# Altium PCB HIVE_BOARD.PcbDoc (part 6 of 9) (continued)
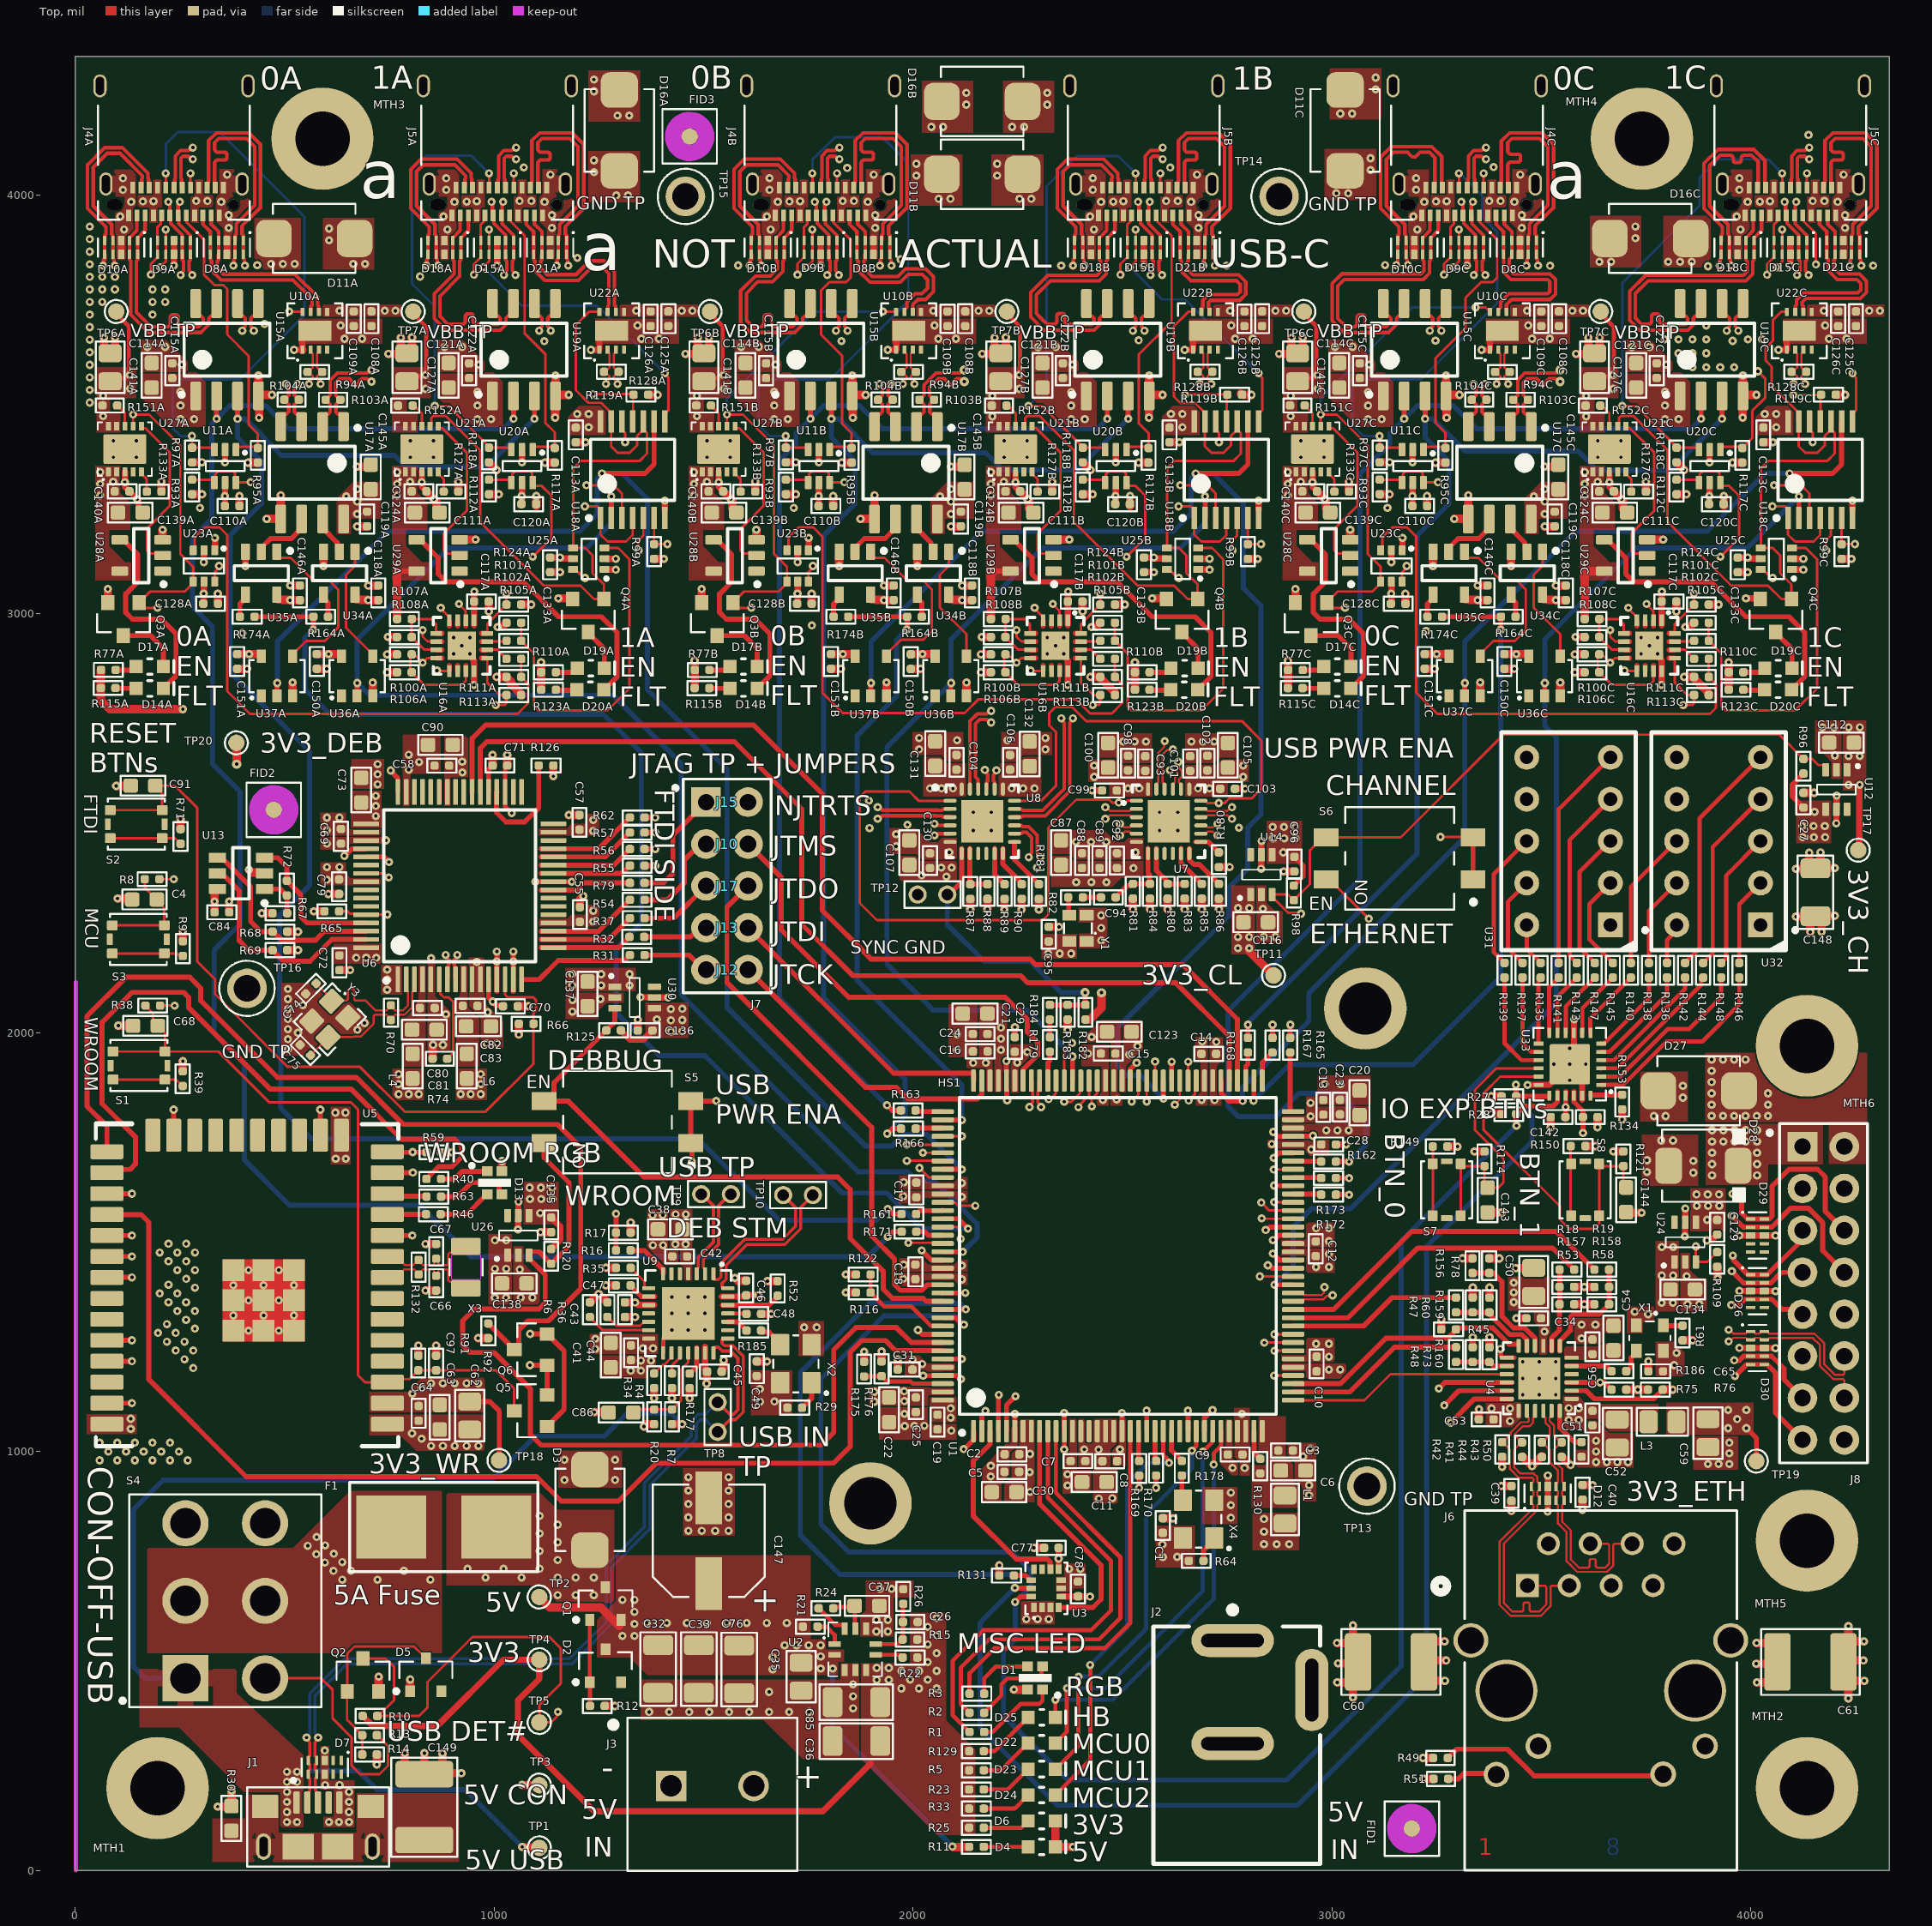
[diagram p0: Top view]
## Nets (pads, with @x,y where several pads share a name; then routed paths per layer and width w, separated by ;. In a path a pad name is that pad's centre, name@x,y a point inside that pad or via, vN(x,y) a via of type N, cw(c..) or ccw(c..) an arc to the next point about the centre after c; other vN are vias at no path point) (continued)
  Top w20: C141A.1@68.89,3635.33 v1(68.89,3658.95) ; Q3A.2@78.29,3035.23 v1(78.29,3058.85) ; C141A.1@95.81,3635.95 v1(95.81,3659.57) ; v1@98.25,2588.77 C91.2@122.44,2588.77 ; v1@101.41,2320.17 C4.2@125.6,2320.17 ; v1@103.12,2016.58 C68.2@127.32,2016.58 ; R133A.2@206.07,3291.7 v1(206.07,3315.32) ; U28A.3@208.96,3176.62 v1(208.96,3200.24) ; R71.1@251.84,2485.77 v1@251.84,2509.96 ; R39.1@257.08,1907.63 v1@257.08,1931.82 ; R9.1@257.29,2217.97 v1@257.29,2242.16 ; R97A.2@279.1,3361.04 R97A.2@279.32,3361.26 v1(302.93,3361.26) ; v1@340.3,152.54 R30.1@364.49,152.54 ; v1(340.86,3047.56) 340.86,3023.94 C128A.1@341.08,3023.72 ; C84.2@367.95,2287.33 v1(367.95,2312.96) ; R30.1@373.25,166.31 v1@373.25,190.5 ; C151A.2@387,2868.5 v1(410.62,2868.5) ; C110A.2@392.28,3257.22 v1(392.28,3280.84) ; v1(415,2389) 421.89,2382.1 U13.2@440.15,2382.1 ; U15A.4@437.82,3545.08 v1(437.82,3568.69) ; v1(439.28,3467.68) U15A.4@439.28,3491.29 ; U15A.4@446.26,3522.32 v1(469.87,3522.32) ; v1(457.53,3226.22) 490.77,3226.22 U17A.5@490.94,3226.05 ; U17A.5@490.94,3226.05 v1(490.97,3282.65) ; v1(513.21,3067.25) C146A.2@536.82,3067.25 C146A.2@537.05,3067.47 ; U37A.3@519.32,2812.58 v1(519.32,2836.19) ; U10A.1@542.52,3629.7 U10A.1@542.77,3629.95 ; v1(569.65,2289.57) R65.2@595.29,2289.57 ; C150A.2@577,2868.5 v1(600.62,2868.5) ; U34A.3@592.86,3137.47 593.08,3137.24 v1(593.08,3113.63) ; v1(604.46,2330.82) C79.2@630.1,2330.82 ; C72.2@631,2149.33 v1(656.64,2149.33) ; v1(673,3351) 691.75,3351 C145A.2@696.95,3356.19 ; v1(673.28,3208.33) 696.89,3208.33 C119A.2@697.11,3208.55 ; v1(699.99,3067.03) 723.6,3067.03 C118A.2@723.82,3067.25 ; U36A.3@710.55,2812.11 v1(710.55,2835.72) ; v1@720.5,252.81 R14.1@720.5,277 ; Q2.2@724.65,438.6 v1@724.65,462.8 ; v1(744.92,2860.21) R106A.2@768.53,2860.21 ; v1(746.66,2944.57) R108A.1@770.28,2944.57 ; v1(748.04,3620.19) C127A.1@771.65,3620.19 ; C127A.1@777.55,3635.33 v1(777.55,3658.95) ; C149.1@786.98,256.16 v1@786.98,280.35 ; D5.1@799.95,430.47 v1@799.95,454.67 ; C127A.1@804.47,3635.95 v1(804.47,3659.57) ; C97.1@819.38,1228.94 v1@819.38,1253.14 ; C149.1@833.51,256.16 v1@833.51,280.35 ; v1(836.37,1384.53) C66.1@862.01,1384.53 ; v1(836.37,1495.53) C67.1@862.01,1495.53 ; C124A.1@838.44,3292.02 856.66,3273.8 v1(856.66,3273.12) 862.46,3267.33 862.46,3248.48 869.46,3241.48 C111A.2@869.96,3241.48 ; R74.1@853.33,1937.68 853.33,1969.39 v1(854.6,1970.66) ; R59.1@873.88,1714.42 v1(899.52,1714.42) ; C149.1@876.76,255.69 v1@876.76,279.88 ; C149.1@897.89,232.42 v1@922.08,232.42 ; R127A.2@914.96,3291.48 v1(914.96,3315.1) ; U29A.3@917.24,3177 v1(956,3177) ; C117A.1@987.34,3029.19 C117A.1@987.45,3029.08 987.56,3028.97 v1(987.56,3005.36) ; R118A.2@987.76,3361.04 R118A.2@987.98,3361.26 1006,3343.24 v1(1006,3343) ; C71.2@1031.6,2637.43 v1(1031.6,2663.07) ; C70.2@1056.5,2063 v1(1082.14,2063) ; v1(1100.94,3280.84) 1100.94,3257.22 C120A.2@1101.16,3257 ; v1(1110.99,1523.7) C135.2@1136.63,1523.7 ; C133A.1@1134.12,3099.09 v1(1157.73,3099.09) ; v1(1141.71,2611.97) R126.2@1141.71,2637.61 ; v1(1146,3468) 1146,3489.35 U19A.4@1147.94,3491.29 ; U19A.4@1146.48,3545.08 v1(1146.48,3568.69) ; v1(1153.6,3036.71) Q4A.2@1177.21,3036.71 ; U19A.4@1154.92,3522.32 v1(1178.53,3522.32) ; v1(1178.36,2519.5) C57.2@1204,2519.5 ; C113A.1@1195.1,3409.22 v1(1218.71,3409.22) ; C55.2@1205,2299.5 C55.2@1205,2299.5 1205.04,2317.72 v1(1213.09,2325.77) ; v1@1239.02,1094.09 C86.2@1263.21,1094.09 ; R12.2@1264.15,392.92 v1@1288.34,392.92 ; v1@1266.89,1396.59 C47.1@1291.08,1396.59 ; C43.1@1312.47,1321.2 v1@1336.66,1321.2 ; R17.2@1326.14,1522.59 v1@1326.14,1546.78 ; C136.2@1343.24,2005.24 v1(1343.24,2030.88) ; v1(1358,1060) 1363.4,1065.4 R20.2@1382.25,1065.4 ; v1@1382.24,1127.38 R34.2@1382.24,1151.57 ; v1(1456.7,3620.19) C141B.1@1480.31,3620.19 ; C141B.1@1486.21,3635.33 v1(1486.21,3658.95) ; Q3B.2@1495.62,3035.23 v1(1495.62,3058.85) ; C141B.1@1513.13,3635.95 v1(1513.13,3659.57) ; C45.1@1543.42,1190.98 1545.92,1193.48 1545.92,1199.35 1548.45,1201.88 1548.27,1202.06 v1(1548.27,1218.64) ; C140B.1@1547.1,3292.02 1568.62,3270.5 C139B.2@1568.62,3250.98 ; v1(1574.91,1414.37) 1575.35,1414.37 1581.98,1407.75 1601.61,1407.75 C46.1@1601.82,1407.96 ; R133B.2@1623.4,3291.7 v1(1623.4,3315.32) ; U28B.3@1626.28,3176.62 v1(1626.28,3200.24) ; C49.1@1627.33,1215.23 v1@1651.52,1215.23 ; C48.1@1637.64,1328.59 v1@1661.83,1328.59 ; v1@1652.81,1406.96 R52.1@1677,1406.96 ; R97B.2@1696.42,3361.04 R97B.2@1696.64,3361.26 v1(1720.26,3361.26) ; v1(1758.18,3047.56) 1758.18,3023.94 C128B.1@1758.4,3023.72 ; C151B.2@1804.32,2868.5 v1(1827.94,2868.5) ; v1(1809.6,3280.84) 1809.6,3257.22 C110B.2@1809.82,3257 ; U35B.3@1823.6,3137.47 1823.82,3137.24 v1(1823.82,3113.63) ; v1@1839.65,1422.63 R122.2@1863.84,1422.63 ; U15B.4@1855.14,3545.08 v1(1855.14,3568.69) ; v1(1856.6,3467.68) U15B.4@1856.6,3491.29 ; U15B.4@1863.58,3522.32 v1(1887.2,3522.32) ; v1(1874.85,3226.22) 1908.1,3226.22 U17B.5@1908.26,3226.05 v1(1908.29,3282.65) ; R176.2@1924.93,1215.01 v1@1924.93,1239.2 ; v1(1930.53,3067.25) C146B.2@1954.15,3067.25 C146B.2@1954.37,3067.47 ; U37B.3@1936.65,2812.58 v1(1936.65,2836.19) ; C31.1@1963.75,1195.75 v1@1963.75,1219.94 ; C150B.2@1994.32,2868.5 v1(2017.94,2868.5) ; U34B.3@2010.18,3137.47 2010.41,3137.24 v1(2010.41,3113.63) ; v1(2090.32,3351) 2109.08,3351 C145B.2@2114.27,3356.19 ; v1(2090.6,3208.33) 2114.21,3208.33 C119B.2@2114.44,3208.55 ; v1(2117.31,3067.03) 2140.92,3067.03 C118B.2@2141.15,3067.25 ; U36B.3@2127.88,2812.11 v1(2127.88,2835.72) ; v1(2162.24,2860.21) R106B.2@2185.86,2860.21 ; v1(2163.98,2944.57) R108B.1@2187.6,2944.57 ; v1(2165.36,3620.19) C127B.1@2188.98,3620.19 ; v1(2177.56,2293.84) R88.1@2177.56,2319.48 ; C127B.1@2194.87,3635.33 v1(2194.87,3658.95) ; C127B.1@2221.79,3635.95 v1(2221.79,3659.57) ; C124B.1@2255.76,3292.02 2277.28,3270.5 2277.28,3250.98 2286.78,3241.48 C111B.2@2287.28,3241.48 ; v1(2259.11,2293.76) R90.2@2259.11,2319.4 ; v1@2288.6,770.18 C77.2@2312.8,770.18 ; v1(2300.69,2293.76) R181.2@2300.69,2319.4 ; C95.1@2324.22,2252.52 v1@2348.42,2252.52 ; R127B.2@2332.28,3291.48 v1(2332.28,3315.1) ; U29B.3@2334.94,3176.62 2334.56,3177 v1(2373.32,3177) ; D6.K@2339.87,118.35 D4.K@2339.87,56.51 v1(2381.68,56.51) ; v1(2369.26,2005.67) R183.1@2369.26,2031.31 ; C117B.1@2404.66,3029.19 C117B.1@2404.77,3029.08 2404.88,3028.97 v1(2404.88,3005.36) ; R118B.2@2405.08,3361.04 R118B.2@2405.3,3361.26 2423.32,3343.24 v1(2423.32,3343) ; v1(2518.26,3280.84) 2518.26,3257.22 C120B.2@2518.48,3257 ; v1(2563.32,3468) 2563.32,3489.35 U19B.4@2565.27,3491.29 ; U19B.4@2563.8,3545.08 v1(2563.8,3568.69) ; v1(2565.8,2294.44) R84.1@2565.8,2320.08 ; v1(2570.92,3036.71) Q4B.2@2594.54,3036.71 ; U19B.4@2572.24,3522.32 v1(2595.86,3522.32) ; C1.1@2596.75,840.73 v1@2620.94,840.73 ; C113B.1@2612.42,3409.22 v1(2636.03,3409.22) ; v1(2648.59,2294.44) R83.1@2648.59,2320.08 ; v1(2730.19,2294.36) R86.2@2730.19,2320 ; R180.2@2730.19,2395.12 v1(2755.83,2395.12) ; v1(2874.02,3620.19) C141C.1@2897.64,3620.19 ; v1(2884.7,2384.69) C96.2@2910.34,2384.69 ; C141C.1@2903.54,3635.33 v1(2903.54,3658.95) ; Q3C.2@2912.94,3035.23 v1(2912.94,3058.85) ; C141C.1@2930.45,3635.95 v1(2930.45,3659.57) ; C140C.1@2964.42,3292.02 2985.94,3270.5 2985.94,3250.98 2995.44,3241.48 C139C.2@2995.94,3241.48 ; v1@3012.23,543.02 C60.2@3036.42,543.02 ; v1@3012.93,448.98 C60.2@3037.13,448.98 ; v1@3014.41,494.42 C60.2@3038.6,494.42 ; R133C.2@3040.72,3291.7 v1(3040.72,3315.32) ; U28C.3@3043.6,3176.62 v1(3043.6,3200.24) ; v1@3050.2,412.46 C60.2@3050.2,436.65 ; C60.2@3050.2,560.99 v1@3050.2,585.18 ; R97C.2@3113.74,3361.04 R97C.2@3113.96,3361.26 v1(3137.58,3361.26) ; v1(3175.5,3047.56) 3175.5,3023.94 C128C.1@3175.72,3023.72 ; v1@3217.31,268.67 R49.1@3241.5,268.67 ; v1@3218.54,218.91 R51.1@3242.73,218.91 ; C151C.2@3221.65,2868.5 v1(3245.26,2868.5) ; v1(3226.92,3280.84) 3226.92,3257.22 C110C.2@3227.15,3257 ; U35C.3@3240.92,3137.47 3241.14,3137.24 v1(3241.14,3113.63) ; U15C.4@3272.46,3545.08 v1(3272.46,3568.69) ; v1(3273.93,3467.68) U15C.4@3273.93,3491.29 ; R149.1@3275.72,1728.24 v1@3299.91,1728.24 ; U15C.4@3280.9,3522.32 v1(3304.52,3522.32) ; v1(3292.18,3226.22) 3325.42,3226.22 U17C.5@3325.58,3226.05 ; U17C.5@3325.58,3226.05 v1(3325.61,3282.65) ; v1(3347.85,3067.25) C146C.2@3371.47,3067.25 C146C.2@3371.69,3067.47 ; C53.2@3350.8,1076.81 v1@3350.8,1101 ; U37C.3@3353.97,2812.58 v1(3353.97,2836.19) ; R78.1@3375.49,1461.31 v1@3399.69,1461.31 ; R160.1@3376.06,1248.74 v1@3376.06,1272.93 ; R159.1@3376.06,1367.4 v1@3376.06,1391.6 ; C143.2@3381.44,1570.67 v1@3405.63,1570.67 ; v1@3404.4,917.66 C39.2@3428.59,917.66 ; C150C.2@3411.65,2868.5 v1(3435.26,2868.5) ; U34C.3@3427.51,3137.47 3427.73,3137.24 v1(3427.73,3113.63) ; v1@3438.56,1437.6 C50.1@3462.75,1437.6 ; v1@3440.06,1318.2 C34.1@3464.25,1318.2 ; v1(3507.65,3351) 3526.4,3351 C145C.2@3531.59,3356.19 ; v1(3507.92,3208.33) 3531.54,3208.33 C119C.2@3531.76,3208.55 ; v1@3522.22,1774.28 C142.2@3522.22,1798.47 ; v1(3534.63,3067.03) 3558.25,3067.03 C118C.2@3558.47,3067.25 ; U36C.3@3545.2,2812.11 v1(3545.2,2835.72) ; R157.1@3578.2,1393.08 v1@3602.39,1393.08 ; v1(3579.56,2860.21) R106C.2@3603.18,2860.21 ; v1(3581.31,2944.57) R108C.1@3604.92,2944.57 ; v1(3582.68,3620.19) C127C.1@3606.3,3620.19 ; C40.2@3598.28,920.41 v1@3622.47,920.41 ; v1(3602.39,1392.88) R158.1@3626.58,1392.88 ; R150.1@3605.05,1729.21 v1@3629.25,1729.21 ; C127C.1@3612.2,3635.33 v1(3612.2,3658.95) ; C127C.1@3639.11,3635.95 v1(3639.11,3659.57) ; C124C.1@3673.09,3292.02 3694.6,3270.5 3694.6,3250.98 3704.1,3241.48 C111C.2@3704.6,3241.48 ; R75.1@3702.6,1148.1 3702.6,1147.88 v1@3730.22,1147.88 ; C144.2@3715.04,1570.31 v1@3739.23,1570.31 ; v1@3730.32,1147.78 R76.1@3754.51,1147.78 ; R127C.2@3749.6,3291.48 v1(3749.6,3315.1) ; U29C.3@3752.26,3176.62 3751.88,3177 v1(3790.65,3177) ; C65.2@3755.35,1191.57 v1@3755.35,1215.76 ; C117C.1@3821.98,3029.19 C117C.1@3822.09,3029.08 3822.2,3028.97 v1(3822.2,3005.36) ; R118C.2@3822.4,3361.04 R118C.2@3822.62,3361.26 3840.65,3343.24 v1(3840.65,3343) ; R61.1@3836.92,1265.57 v1@3861.12,1265.57 ; v1(3935.58,3280.84) 3935.58,3257.22 C120C.2@3935.81,3257 ; C133C.1@3968.76,3099.09 v1(3992.38,3099.09) ; v1(3980.65,3468) 3980.65,3489.35 U19C.4@3982.59,3491.29 ; U19C.4@3981.12,3545.08 v1(3981.12,3568.69) ; U19C.4@3989.57,3522.32 v1(4013.18,3522.32) ; C113C.1@4029.74,3409.22 v1(4053.36,3409.22) ; v1(4107.55,2276.95) 4133.31,2276.95 C148.1@4133.5,2276.76 ; C27.2@4125.61,2572.42 v1(4151.25,2572.42) ; v1(4142.01,2240.05) C148.1@4142.01,2263.67 ; v1(4168.93,2240.67) C148.1@4168.93,2264.28 ; C148.1@4174.83,2279.43 4175.3,2278.95 v1(4200.55,2278.95) ; v1@4233.06,410.82 C61.2@4233.06,435.01 ; C61.2@4233.06,559.35 v1@4233.06,583.54 ; C61.2@4244.66,501.58 v1@4268.85,501.58 ; C61.2@4246.13,547.02 v1@4270.33,547.02 ; C61.2@4246.84,452.98 v1@4271.03,452.98
  other v1: 606,115.81 630,115.81 654,115.81 654,139.81 340.3,152.73 654,163.81 654,187.81 373.45,190.5 596.97,204.12 631.36,204.12 3218.54,219.1 922.08,232.22 720.3,252.81 3217.31,268.87 787.18,280.35 833.71,280.35 876.96,279.88 595.98,286.46 1370.35,378.64 1418.07,378.64 1465.79,378.64 1513.51,378.64 1561.23,378.64 1608.95,378.64 1656.67,378.64 1704.39,378.64 1752.11,378.64 1857.25,387.25 1288.34,392.72 4232.9,410.82 3050.36,412.46 1857.25,415.93 1656.67,426.36 1857.25,444.61 3012.93,449.18 4271.03,452.78 800,456 724.85,462.8 3014.41,494.61 4268.85,501.39 3012.23,543.22 4270.33,546.82 1912.73,570.79 1940.16,570.79 4232.9,583.54 3050.36,585.18 1912.73,598.22 1940.16,598.22 2270.65,600.18 2297.44,600.18 2324.23,600.18 1921.48,672.22 1948.91,672.22 2372.47,719.86 2399.66,719.86 2288.6,770.38 1464,811 1496,811 1528,811 1560,811 2620.94,840.53 2758.83,842.04 1464,843 1560,843 3515.02,856.97 2758.83,872.08 1464,875 1560,875 2443.64,887.66 2475.8,888.75 2945.33,896.01 2758.83,902.11 1464,907 1560,907 3404.4,917.85 2945.48,919.79 3622.47,920.21 1168.08,932.2 1289.08,932.2 1464,939 1560,939 2185.73,940.82 3515.49,943 2791.85,960.83 2185.92,965.87 3897.65,970.38 3923.05,970.38 3948.45,970.38 3630.6,975 3656,975 3681.4,975 3706.8,975 1168.08,980.2 1289.08,980.2 2930.93,988.15 3948.45,995.78 3630.6,1000.4 2408.95,1005.12 2443.07,1004.85 2948.43,1007.4 849.88,1013.55 878.1,1013.55 906.33,1013.55 934.55,1013.55 962.78,1013.55 3948.45,1021.18 3630.6,1025.8 827.13,1030.65 804.27,1043.55 2091.59,1049.98 133.06,1054.3 1980.17,1060.9 2003.63,1061.28 2027.08,1061.66 133.06,1078.3 2785.41,1089.73 1979.81,1089.96 1239.02,1094.29 3351,1101 1382.04,1127.38 3730.32,1147.98 2024.32,1181.19 1326.35,1193.14 1350.59,1193.14 3019.89,1195.77 2993,1195.87 1651.52,1215.03 3755.55,1215.76 1350.59,1217.38 1374.83,1217.38 1963.95,1219.94 1925.13,1239.2 3972.73,1247.46 4058.76,1246.99 819.58,1253.14 3861.12,1265.37 3596,1270.08 3376.26,1272.93 413.95,1288.73 486.19,1288.73 1463.72,1290.46 1503.09,1290.46 1740.24,1296.58 1770.28,1296.58 3596,1303 3628.92,1303 3440.06,1318.4 1336.66,1321 377.83,1324.86 450.07,1324.86 522.32,1324.86 1661.83,1328.39 3754.98,1328.04 1424.35,1329.83 1463.72,1329.83 1503.09,1329.83 3723,1334 3849.16,1351.63 3876.92,1351.48 413.95,1360.98 486.19,1360.98 1063.87,1367.77 1091.64,1367.61 1424.35,1369.2 1463.72,1369.2 1503.09,1369.2 3972.73,1383.37 4058.76,1382.9 3376.26,1391.6 1266.89,1396.79 377.83,1397.1 450.07,1397.1 522.32,1397.1 1652.81,1407.16 3846.81,1418.54 1839.65,1422.83 413.95,1433.22 486.19,1433.22 1061.52,1434.68 3438.56,1437.8 2962.11,1440.57 2993,1440.57 2117,1444 1978.27,1446.06 3399.69,1461.11 2993,1471.46 1379.27,1492.61 1403.51,1492.61 3842.55,1513.93 4058.76,1515.51 3972.73,1515.98 1057.26,1530.07 1326.34,1546.78 1378.58,1564.65 1402.82,1564.65 3405.63,1570.47 3739.23,1570.11 3843.6,1580.37 1058.32,1596.5 2117,1640.85 1978.27,1642.91 3862.55,1665.8 3751.95,1667.27 3862.55,1693.94 3751.95,1695.4 622.3,1698.94 646.3,1698.94 3299.91,1728.05 3629.25,1729.01 3033.86,1732.74 3786.06,1742.57 3814.19,1742.57 2860,1763 3522.02,1774.28 3768.53,1800.9 3796.66,1800.9 621.39,1809.14 645.39,1809.14 2224.8,1838.09 2689.03,1839.32 2486.15,1840.42 3837.76,1844.86 3837.76,1872.99 3467,1875 3020.6,1876.72 2982.46,1877.21 2534,1928 257.28,1931.82 2223,1932 2105.14,1958.12 507.94,1960.3 878.16,1970.66 981.87,1973.96 1007.32,1974.55 2690.58,1979.24 507.94,1984.3 2426.37,1989.7 2105.63,1996.26 532.18,1999.67 673.96,2006.69 507.94,2008.3 2243.2,2013.19 103.12,2016.78 691,2023 507.94,2032.3 885.25,2043.77 985.13,2048.62 1187.15,2050.23 507.94,2056.3 543.77,2065.57 1187.3,2078 507.94,2080.3 1254.21,2080.35 1416.03,2083.55 1349.6,2084.61 745.07,2102.4 507.94,2104.3 745.07,2126.4 745.07,2150.4 958.8,2168.76 850,2178 2449.21,2220.03 2837.59,2228.76 2865.35,2228.6 257.48,2242.16 2449.21,2249.87 2348.42,2252.32 2449.21,2279.71 2835.23,2295.67 101.41,2320.37 2389.53,2359.22 2425.67,2359.22 2461.81,2359.22 1185.58,2360.07 2079.73,2372.37 2020.61,2375.3 2830.97,2391.06 2526.28,2392.55 2067.55,2393.81 2092.23,2393.81 2296.27,2393.73 601.19,2450.86 2832.03,2457.49 742,2459 1896.28,2488.35 2778,2489 1986.86,2496.24 4203.92,2499.63 252.04,2509.96 1894.67,2553.65 4204.98,2566.06 2427.31,2578.2 2792.69,2582.2 98.25,2588.97 722.36,2592.81 722.36,2616.81 796.34,2627.88 722.36,2640.81 821.18,2645.88 4200.72,2661.45 796.34,2663.28 2014.83,2676.14 2316.23,2676.14 2501.79,2694.97 2528.95,2694.97 2556.11,2694.97 2664.67,2694.97 2691.83,2694.97 2718.99,2694.97 2105.48,2697.89 2225.58,2697.89 2014.83,2703.3 2316.23,2703.3 4170.6,2728.51 4198.36,2728.36 903.29,2903.79 942.66,2903.79 2320.61,2903.79 2359.98,2903.79 3737.94,2903.79 3777.31,2903.79 903.29,2943.16 942.66,2943.16 2320.61,2943.16 2359.98,2943.16 3737.94,2943.16 3777.31,2943.16 148,3273.12 1565.32,3273.12 2273.98,3273.12 2982.65,3273.12 3691.31,3273.12 119,3314.12 827.66,3314.12 1536.32,3314.12 2244.98,3314.12 2953.65,3314.12 3662.31,3314.12 358,3361.38 1066.66,3361.38 1775.32,3361.38 2483.98,3361.38 3192.65,3361.38 3901.31,3361.38 254.82,3594.35 963.57,3594.27 1672.15,3594.35 2380.89,3594.27 3089.47,3594.35 3798.22,3594.27 172.51,3636.81 881.25,3636.72 1589.83,3636.81 2298.57,3636.72 3007.15,3636.81 3715.9,3636.72 214.81,3636.99 923.56,3636.9 1632.13,3636.99 2340.88,3636.9 3049.46,3636.99 3758.2,3636.9 1120.2,3650.46 1829.35,3650.64 3247.15,3651.8 3956.52,3651.18 2538.85,3652.57 643.16,3656.36 685.24,3656.36 1351.82,3656.36 1393.9,3656.36 2060.49,3656.36 2102.56,3656.36 2769.15,3656.36 2811.22,3656.36 3477.81,3656.36 3519.88,3656.36 4186.47,3656.36 4228.54,3656.36 634,3688 1342.66,3688 2051.32,3688 2759.98,3688 3468.65,3688 4177.31,3688 452.22,3691.75 95.02,3804.02 823.56,3804.64 3897.77,3829.24 1007.26,3830.63 2550.57,3830.64 2748.72,3830.74 3520.72,3830.62 4093.88,3830.63 235.97,3831 434.78,3831.73 1582.81,3831.39 1779.28,3831.01 2353.71,3830.92 3322.59,3831 4291.85,3830.91 3126.87,3832 664.17,3834.99 692.3,3834.99 3638.4,3839.99 3666.53,3839.99 1970.85,3845.69 1198.97,3849.36 606.23,3891.19 3724.47,3896.19 117.03,3917.13 888.69,3917.13 1660.34,3917.14 2432,3917.14 3203.65,3917.13 3975.31,3917.13 606.23,3919.32 366.69,3920.99 1138.34,3920.99 1910,3921 2681.66,3921 3453.31,3920.99 4224.97,3920.99 3724.47,3924.33 108,3948 879.66,3948 1651.31,3948.01 2422.97,3948.01 3194.62,3948 3966.28,3948 366.69,3950.99 1138.34,3950.99 1910,3951 2681.66,3951 3453.31,3950.99 4224.97,3950.99 134,3983 349,3983 905.65,3983 1120.66,3983 1677.31,3983.01 1892.31,3983.01 2448.97,3983.01 2663.97,3983.01 3220.62,3983 3435.62,3983 3992.28,3983 4207.28,3983 2254.33,3990.15 2282.47,3990.15 114.32,4011.72 885.97,4011.72 1657.63,4011.74 2429.28,4011.74 3200.94,4011.73 3972.59,4011.73 114.32,4039.44 885.97,4039.44 1657.63,4039.45 2429.28,4039.45 3200.94,4039.44 3972.59,4039.44 2201.03,4045.66 363,4048 1134.66,4048 1906.31,4048.01 2677.97,4048.01 3449.62,4048 4221.28,4048 1843.06,4063.98 1071.24,4065.09 2614,4065 3386,4066 2201.03,4073.79 4137.64,4142.71 2043.87,4161.92 2072,4161.92 1294.73,4188.91 1322.87,4188.91 3020.12,4193.6 3048.26,4193.6 2127.51,4215.23 2127.51,4243.36 1238.53,4246.84 3104.46,4251.54 1238.53,4274.98 3104.46,4279.67
  other v2: 3455.48,1135.46 3494.85,1135.46 3534.22,1135.46 3455.48,1174.83 3494.85,1174.83 3534.22,1174.83 3455.48,1214.2 3494.85,1214.2 3534.22,1214.2 2143.86,2482.79 2187.17,2482.79 2588.74,2482.79 2632.04,2482.79 2143.86,2526.1 2187.17,2526.1 2588.74,2526.1 2632.04,2526.1 91.44,3373.31 146.56,3373.31 800.1,3373.31 855.22,3373.31 1508.76,3373.31 1563.88,3373.31 2217.43,3373.31 2272.54,3373.31 2926.09,3373.31 2981.2,3373.31 3634.75,3373.31 3689.87,3373.31 91.44,3412.68 146.56,3412.68 800.1,3412.68 855.22,3412.68 1508.76,3412.68 1563.88,3412.68 2217.43,3412.68 2272.54,3412.68 2926.09,3412.68 2981.2,3412.68 3634.75,3412.68 3689.87,3412.68
  other v4: 3567.87,1886.45 3529.69,1924.64 3606.06,1924.64 3567.87,1962.83
HW_EN_0A: Q3A.1 U10A.8 U18A.1 U18A.4 U23A.4 U27A.7 | length 3083.6
  Top w6: U27A.7@138.68,3447.53 v1(138.68,3475.34) 177.28,3475.34 251.18,3401.45 251.18,3142.7 281.98,3111.9 U23A.4@281.98,3076.43 281.98,3072.89 262.09,3053 179.5,3053 Q3A.1@152.87,3026.37 165.25,3014 v1(196.69,3014) ; v1(511.27,3721.17) 542.1,3721.17 U10A.8@542.77,3720.5 ; v1(1216.72,3256.28) 1246.72,3256.28 1250.24,3252.76 1250.24,3232.23 U18A.1@1254.13,3228.34 1254.13,3188.79 1270.94,3171.98 1315.26,3171.98 1330.9,3187.61 U18A.4@1330.9,3228.34
  Signal_1 w6: v1(138.68,3475.34) 99.78,3514.25 99.78,3616.86 115.61,3632.68 115.61,3812.41 160.62,3857.42 299.41,3857.42 356.56,3800.27 356.56,3675.03 373.62,3657.97 448.07,3657.97 v1(511.27,3721.17)
  Signal_2 w6: v1(196.69,3014) 196.69,3072.32 283.06,3158.68 677.29,3158.68 756.62,3238.01 1198.44,3238.01 v1(1216.72,3256.28)
HW_EN_0B: Q3B.1 U10B.8 U18B.1 U18B.4 U23B.4 U27B.7 | length 2624.2
  Top w6: U27B.7@1556.01,3447.53 v1(1556.01,3475.34) 1594.6,3475.34 1668.5,3401.45 1668.5,3142.7 1699.3,3111.9 U23B.4@1699.3,3076.43 1699.3,3072.89 1679.42,3053 1596.82,3053 Q3B.1@1570.19,3026.37 1582.57,3014 v1(1614.02,3014) ; v1(1928.6,3721.17) 1959.42,3721.17 U10B.8@1960.09,3720.5 ; v1(2634.04,3256.28) 2664.05,3256.28 2667.56,3252.76 2667.56,3232.23 U18B.1@2671.45,3228.34 2671.45,3188.79 2688.26,3171.98 2732.59,3171.98 2748.22,3187.61 U18B.4@2748.22,3228.34
  Signal_2 w6: v1(1614.02,3014) 1614.02,3072.32 1700.38,3158.68 2089.12,3158.68 2168.45,3238.01 2615.77,3238.01 v1(2634.04,3256.28)
  Bottom w6: v1@1555.92,3475.43 1555.92,3513.55 1763.54,3721.17 v1(1928.6,3721.17)
HW_EN_0C: Q3C.1 U10C.8 U18C.1 U18C.4 U23C.4 U27C.7 | length 2632.3
  Top w6: U27C.7@2973.33,3447.53 v1(2973.33,3475.34) 3011.93,3475.34 3085.82,3401.45 3085.82,3142.7 3116.62,3111.9 U23C.4@3116.62,3076.43 3116.62,3072.89 3096.74,3053 3014.14,3053 Q3C.1@2987.52,3026.37 2999.89,3014 v1(3031.34,3014) ; v1(3343,3731) 3366.92,3731 U10C.8@3377.42,3720.5 ; v1(4051.36,3256.28) 4081.37,3256.28 4084.88,3252.76 4084.88,3232.23 U18C.1@4088.77,3228.34 4088.77,3188.79 4105.59,3171.98 4149.91,3171.98 4165.54,3187.61 U18C.4@4165.54,3228.34
  Signal_2 w6: v1(3031.34,3014) 3031.34,3072.32 3117.7,3158.68 3532.6,3158.68 3611.93,3238.01 4033.09,3238.01 v1(4051.36,3256.28)
  Bottom w6: v1(2973.33,3475.34) 2973.33,3513.47 3190.86,3731 v1(3343,3731)
HW_EN_1A: Q4A.1 U18A.10 U18A.13 U21A.7 U22A.8 U25A.4 | length 1876.6
  Top w6: U21A.7@847.35,3447.53 850.25,3450.43 850.25,3466.77 855.22,3471.74 885.44,3471.74 966.7,3390.48 966.7,3219.37 1119.04,3067.03 1206.36,3067.03 1238.32,3035.07 Q4A.1@1262.3,3035.07 1262.3,3069.62 1235.29,3096.63 1235.29,3139.04 1217.62,3156.71 U25A.4@1188.99,3156.71 1188.99,3346.75 1206.58,3364.34 1347.36,3364.34 1365.17,3382.16 1365.17,3431.56 1361.66,3435.08 1360.38,3435.08 U18A.10@1356.49,3438.97 ; U22A.8@1251.43,3720.5 1226.66,3720.5 1195.06,3688.9 1195.06,3533.74 1225.44,3503.36 1255.64,3503.36 1275.83,3483.17 1275.83,3462.54 U18A.13@1279.72,3458.65 1279.72,3399.28 1294.62,3384.38 1324.23,3384.38 1341.88,3402.03 1341.88,3424.35 U18A.10@1356.49,3438.97 ; U18A.10@1356.49,3458.65 U18A.10@1356.49,3438.97
HW_EN_1B: Q4B.1 U18B.10 U18B.13 U21B.7 U22B.8 U25B.4 | length 1862.7
  Top w6: U21B.7@2264.67,3447.53 2267.57,3450.43 2267.57,3466.77 2272.54,3471.74 2302.76,3471.74 2384.03,3390.48 2384.03,3219.37 2536.36,3067.03 2623.68,3067.03 2655.65,3035.07 Q4B.1@2679.62,3035.07 2679.62,3069.62 2652.61,3096.63 2652.61,3139.04 2634.94,3156.71 U25B.4@2606.31,3156.71 2606.31,3346.75 2623.91,3364.34 2764.68,3364.34 2782.5,3382.16 2782.5,3431.56 2778.98,3435.08 2777.7,3435.08 U18B.10@2773.81,3438.97 ; U22B.8@2668.75,3720.5 2657.24,3720.5 2623.23,3686.49 2623.23,3518.12 2638.35,3503 2655,3503 2673.32,3503 2693.15,3483.17 2693.15,3462.54 U18B.13@2697.04,3458.65 2697.04,3399.28 2711.94,3384.38 2741.55,3384.38 2759.2,3402.03 2759.2,3424.35 U18B.10@2773.81,3438.97 ; U18B.10@2773.81,3458.65 U18B.10@2773.81,3438.97
HW_EN_1C: Q4C.1 U18C.10 U18C.13 U21C.7 U22C.8 U25C.4 | length 1848
  Top w6: U21C.7@3681.99,3447.53 3684.9,3450.43 3684.9,3466.77 3689.87,3471.74 3720.09,3471.74 3801.35,3390.48 3801.35,3219.37 3953.69,3067.03 4041.01,3067.03 4072.97,3035.07 Q4C.1@4096.95,3035.07 4096.95,3069.62 4069.94,3096.63 4069.94,3139.04 4052.26,3156.71 U25C.4@4023.64,3156.71 4023.64,3346.75 4041.23,3364.34 4182,3364.34 4199.82,3382.16 4199.82,3431.56 4196.3,3435.08 4195.03,3435.08 U18C.10@4191.14,3438.97 ; U22C.8@4086.08,3720.5 4072.3,3720.5 4052.33,3700.53 4052.33,3650.93 4035.15,3633.76 4035.15,3604.42 4049.74,3589.84 4049.74,3543.91 4110.47,3483.17 4110.47,3462.54 U18C.13@4114.36,3458.65 4114.36,3399.28 4129.26,3384.38 4158.87,3384.38 4176.52,3402.03 4176.52,3424.35 U18C.10@4191.14,3438.97 ; U18C.10@4191.14,3458.65 U18C.10@4191.14,3438.97
I2C_MISC_SCL: R27.2 U1.133 U3.13 U33.19 | length 4812.7
  Top w12: U1.133@2070.91,1339.15 2071.01,1339.24 2125.78,1339.24 v1(2126.1,1339.57) ; v1(2243.24,674.47) 2243.68,674.03 2281.9,674.03 U3.13@2282.34,673.59 ; R27.2@3439.81,1847.8 R27.2@3439.94,1847.8 ; v1@3439.94,1879.08 R27.2@3439.94,1847.8 ; U33.19@3518.66,1849.83 3518.66,1849.07 3517.38,1847.8 R27.2@3439.94,1847.8
  Bottom w12: v1(2126.1,1339.57) 2111.69,1353.97 1896.31,1353.97 1730.96,1188.62 1730.96,800.7 1825.04,706.62 2236.21,706.62 2243.24,699.59 v1(2243.24,674.47) 2160.46,591.69 2160.46,340.34 2345.03,155.77 2917.9,155.77 3225.48,463.35 3225.48,1488.54 3273.54,1536.6 3477.48,1740.54 3477.48,1801.85 3439.16,1840.17 v1(3439.16,1875.45)
I2C_MISC_SDA: R28.2 U1.134 U3.14 U33.20 | length 4476.9
  Top w12: U1.134@2070.91,1319.46 2071.01,1319.37 2102.6,1319.37 2118.95,1303.01 v1(2121.57,1303.01) ; v1(2243.96,640.99) 2256.88,653.9 U3.14@2282.34,653.9 ; v1@3439.81,1774.25 R28.2@3439.81,1805.53 3459.11,1824.84 3528.49,1824.84 3538.34,1834.7 U33.20@3538.34,1849.83 U33.20@3538.34,1859.76
  Bottom w12: v1(2121.57,1303.01) 2100.65,1323.94 1930.63,1323.94 1780.06,1173.37 1780.06,826.64 1846.84,759.86 2236.6,759.86 2281.97,714.49 2281.97,679 v1(2243.96,640.99) 2243.96,551.13 2216.24,523.41 2216.24,369.75 2369.98,216.01 2892.95,216.01 3165.24,488.3 3165.24,1502.53 v1(3440.59,1777.88)
IMU_I2C_EN: R131.2 U3.12 | length 47
  Top w12: R131.2@2240.94,704.15 2268.94,704.15 2277.02,696.07 2277.02,694.16 2277.91,693.27 U3.12@2282.34,693.27
IMU_INT1: U1.9 U3.4 | length 571.5
  Top w12: U1.9@2302.21,1048.79 2302.21,875.59 2448.93,728.86 2448.93,647.32 2429.43,627.81 U3.4@2347.8,627.81
IMU_INT2: U1.3 U3.9 | length 465.9
  Top w12: U1.3@2184.1,1048.79 2184.01,1048.7 2184.01,1017.72 2143.7,977.41 2143.7,846.47 2246.17,744 2320.19,744 2327.22,736.97 2327.22,720.24 U3.9@2328.11,719.35
IO_EXP_BTN0: C143.1 R114.1 S7.3 S7.4 U33.16 | length 703.1
  Top w6: S7.3@3307.5,1563.2 S7.4@3307.5,1687.21 3313.36,1681.34 R114.1@3364.26,1681.34 3364.26,1637.15 C143.1@3371.55,1629.86 3397.2,1629.86 3409.53,1642.2 3409.53,1699.47 3341.49,1767.51 3341.49,1863.43 3392.85,1914.79 U33.16@3493.07,1914.79
IO_EXP_BTN1: C144.1 R121.1 S8.3 S8.4 U33.17 | length 889.4
  Top w6: U33.17@3493.07,1895.11 3402.09,1895.11 3361.47,1854.49 3361.47,1768.44 3543.94,1585.97 3543.94,1553.99 3566.58,1531.35 3624.86,1531.35 3638.08,1544.57 S8.3@3638.08,1562.96 S8.4@3638.08,1686.97 3643.77,1681.28 R121.1@3695.73,1681.28 3695.73,1637.2 C144.1@3702.4,1630.54